# Altium PCB pcb_ROTUND_2 Layers.PcbDoc (part 1 of 2) (continued)
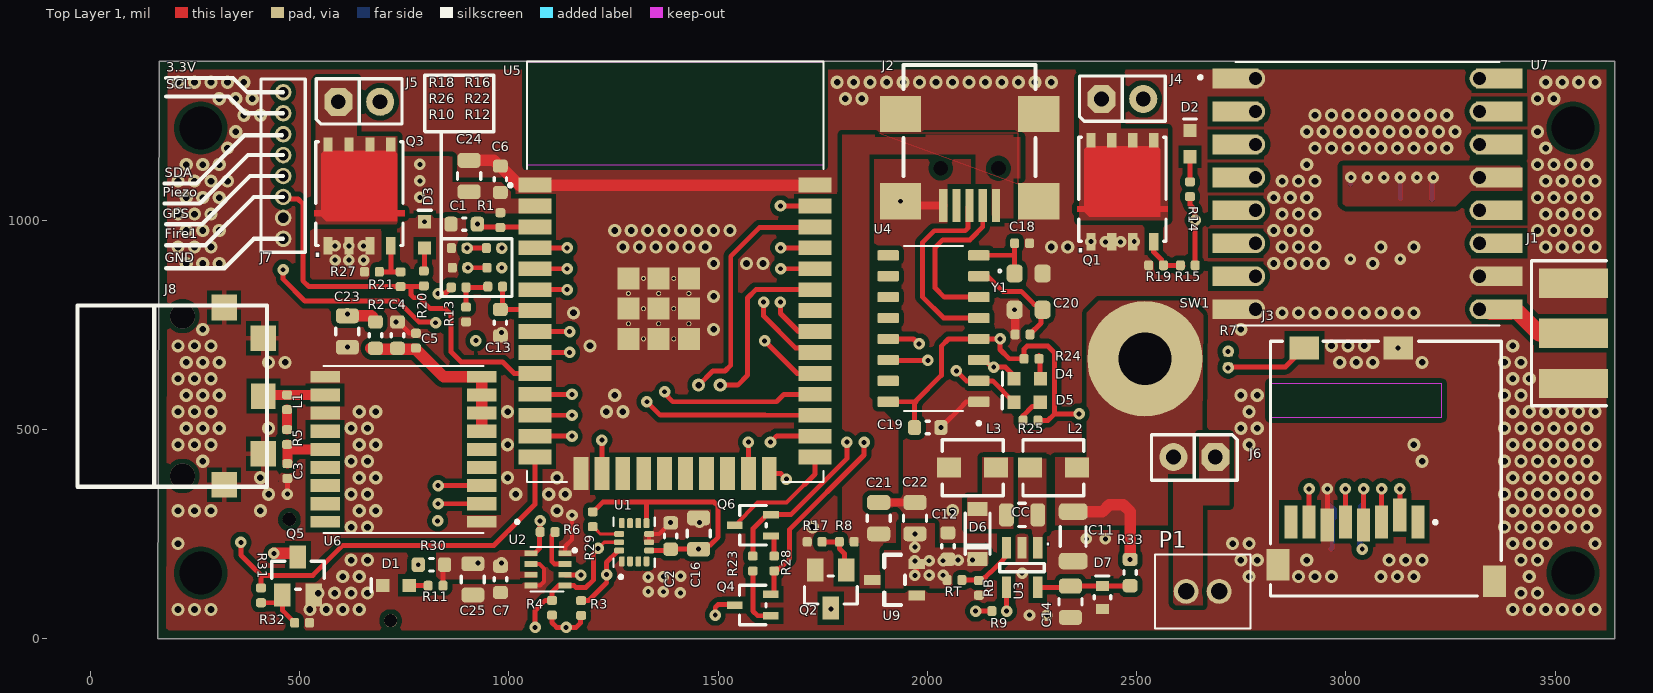
[diagram p0: Top Layer 1 view]
## Part data (continued)
R3 R4 R11 R14 R20 R24 R25: library part RES1020, Manufacturer 1="Vishay Dale", Manufacturer Part Number 1=CRCW04022K20JNED, Operating Temperature="-55C to +155C", Package=0402, Power=1/16W, Supplier Part Number 1=541-2.2KJCT-ND, Temperature Coefficient=200ppm/C, Tolerance=5%, Voltage=50V, Category=Resistor, ComponentLink1Description="SVN Datasheet", ComponentLink1URL=https://chn-vm-apps.microchip.com/mchprepo/parts/Datasheets/dcrcwe3.pdf, ComponentLink2Description="Local Datasheet", ComponentLink2URL=C:\ALTIUM_WORK\00001_MCHP-CDB\Datasheets\dcrcwe3.pdf, ComponentLink3Description="Open Symbol", ComponentLink3URL=C:\ALTIUM_WORK\00001_MCHP-CDB\Library\LibraryRefs\Resistor.SchLib, ComponentLink4Description="Open Footprint", ComponentLink4URL=C:\ALTIUM_WORK\00001_MCHP-CDB\Library\Footprints\RES_C_0402.PcbLib, ComponentLink5Description="Open Footprint 2", ComponentLink6Description="Open Footprint 3", ComponentLink7Description="Open Footprint 4", Composition=TKF, Description_="RES TKF 2.2k 5% 1/16W SMD 0402", Dev Tools Status=Production, MCHP-ID=RES1020, Owner="Tad Ahlvers", Populated=YES, Quantity Override=1, Revision=1, Status="MCL Design", Supplier 1=Digi-Key, Symbol=Resistor, Type="RES SMD"
R5: library part RES1305, Manufacturer 1=ROHM, Manufacturer Part Number 1=MCR01MRTF10R0, Operating Temperature="-55C to +155C", Package=0402, Power=1/16W, Supplier Part Number 1=RHM10.0CDTR-ND, Temperature Coefficient=100ppm/C, Tolerance=1%, Voltage=50V, Category=Resistor, ComponentLink1Description="SVN Datasheet", ComponentLink1URL=https://chn-vm-apps.microchip.com/mchprepo/parts/Datasheets/mcr_g.pdf, ComponentLink2Description="Local Datasheet", ComponentLink2URL=C:\ALTIUM_WORK\00001_MCHP-CDB\Datasheets\mcr_g.pdf, ComponentLink3Description="Open Symbol", ComponentLink3URL=C:\ALTIUM_WORK\00001_MCHP-CDB\Library\LibraryRefs\Resistor.SchLib, ComponentLink4Description="Open Footprint", ComponentLink4URL=C:\ALTIUM_WORK\00001_MCHP-CDB\Library\Footprints\RES_C_0402.PcbLib, ComponentLink5Description="Open Footprint 2", ComponentLink6Description="Open Footprint 3", ComponentLink7Description="Open Footprint 4", Composition=TKF, Description_="RES TKF 10R 1% 1/16W SMD 0402", Dev Tools Status=Production, MCHP-ID=RES1305, Owner="Tad Ahlvers", Populated=YES, Quantity Override=1, Revision=1, Status="MCL Design", Supplier 1=Digi-Key, Symbol=Resistor, Type="RES SMD"
R8 R15 R21 R31: library part RES1436, Manufacturer 1="Panasonic Electronic Components", Manufacturer Part Number 1=ERJ-2RKF1000X, Operating Temperature="-55°C ~ 155°C", Package=0402, Power=1/10W, Supplier Part Number 1=P100LCT-ND, Temperature Coefficient=±100ppm/°C, Tolerance=1%, Category=Resistor, ComponentLink1Description="SVN Datasheet", ComponentLink1URL="https://chn-vm-apps.microchip.com/mchprepo/parts/Datasheets/AOA0000CE2 (1).pdf", ComponentLink2Description="Local Datasheet", ComponentLink2URL="C:\ALTIUM_WORK\00001_MCHP-CDB\Datasheets\AOA0000CE2 (1).pdf", ComponentLink3Description="Open Symbol", ComponentLink3URL=C:\ALTIUM_WORK\00001_MCHP-CDB\Library\LibraryRefs\Resistor.SchLib, ComponentLink4Description="Open Footprint", ComponentLink4URL=C:\ALTIUM_WORK\00001_MCHP-CDB\Library\Footprints\RES_C_0402.PcbLib, ComponentLink5Description="Open Footprint 2", ComponentLink6Description="Open Footprint 3", ComponentLink7Description="Open Footprint 4", Composition=TKF, Description_="RES TKF 100R 1% 1/10W SMD 0402", Dev Tools Status=Production, MCHP-ID=RES1436, Populated=YES, Quantity Override=1, Revision=1, Status="MCL Design", Supplier 1=Digi-Key, Symbol=Resistor, Type="RES SMD"
R9 R17: library part RSMT1272, Manufacturer 1=Yageo, Manufacturer Part Number 1=RC0402JR-0733KL, Operating Temperature="-55C to +155C", Package=0402, Power=1/16W, Supplier Part Number 1=311-33KJRCT-ND, Temperature Coefficient=±100ppm/°C, Tolerance=5%, Category=Resistor, ComponentLink1Description="SVN Datasheet", ComponentLink1URL=https://chn-vm-apps.microchip.com/mchprepo/parts/Datasheets/PYu-RC_Group_51_RoHS_L_10.pdf, ComponentLink2Description="Local Datasheet", ComponentLink2URL=C:\ALTIUM_WORK\00001_MCHP-CDB\Datasheets\PYu-RC_Group_51_RoHS_L_10.pdf, ComponentLink3Description="Open Symbol", ComponentLink3URL=C:\ALTIUM_WORK\00001_MCHP-CDB\Library\LibraryRefs\Resistor.SchLib, ComponentLink4Description="Open Footprint", ComponentLink4URL=C:\ALTIUM_WORK\00001_MCHP-CDB\Library\Footprints\RES_C_0402.PcbLib, ComponentLink5Description="Open Footprint 2", ComponentLink6Description="Open Footprint 3", ComponentLink7Description="Open Footprint 4", Composition=TKF, Description_="RES TKF 33k 5% 1/16W SMD 0402", Dev Tools Status=Production, MCHP-ID=RSMT1272, Owner="Jose Luis Caceres", Populated=YES, Quantity Override=1, Revision=1, Status="MCL Design", Supplier 1=Digi-Key, Symbol=Resistor, Type="RES SMD"
R12: library part RES1022, Manufacturer 1=Panasonic, Manufacturer 2=Hottech, Manufacturer Part Number 1=ERJ-2RKF1001X, Manufacturer Part Number 2=RI0402L1001FT, Operating Temperature="-55C to +155C", Package=0402, Power=1/10W, Supplier Part Number 1=P1.00KLTR-ND, Temperature Coefficient=100ppm/C, Tolerance=1%, Voltage=50V, Category=Resistor, ComponentLink1Description="SVN Datasheet", ComponentLink1URL=https://chn-vm-apps.microchip.com/mchprepo/parts/Datasheets/AOA0000CE2.pdf, ComponentLink2Description="Local Datasheet", ComponentLink2URL=C:\ALTIUM_WORK\00001_MCHP-CDB\Datasheets\AOA0000CE2.pdf, ComponentLink3Description="Open Symbol", ComponentLink3URL=C:\ALTIUM_WORK\00001_MCHP-CDB\Library\LibraryRefs\Resistor.SchLib, ComponentLink4Description="Open Footprint", ComponentLink4URL=C:\ALTIUM_WORK\00001_MCHP-CDB\Library\Footprints\RES_C_0402.PcbLib, ComponentLink5Description="Open Footprint 2", ComponentLink6Description="Open Footprint 3", ComponentLink7Description="Open Footprint 4", Composition=TKF, Description_="RES TKF 1k 1% 1/10W SMD 0402", Dev Tools Status=Production, MCHP-ID=RES1022, Owner="Tad Ahlvers", Populated=YES, Quantity Override=1, Revision=2, Status="MCL Design", Supplier 1=Digi-Key, Supplier 2=Hottech, Supplier Part Number 2=RI0402L1001FT, Symbol=Resistor, Type="RES SMD"
R13: library part RES1007, Manufacturer 1="Panasonic - ECG", Manufacturer Part Number 1=ERJ-2GEJ332X, Operating Temperature="-55C to +155C", Package=0402, Power=1/10W, Supplier Part Number 1=P3.3KJCT-ND, Temperature Coefficient=200ppm/C, Tolerance=5%, Voltage=50V, Category=Resistor, ComponentLink1Description="SVN Datasheet", ComponentLink1URL=https://chn-vm-apps.microchip.com/mchprepo/parts/Datasheets/AOA0000CE1.pdf, ComponentLink2Description="Local Datasheet", ComponentLink2URL=C:\ALTIUM_WORK\00001_MCHP-CDB\Datasheets\AOA0000CE1.pdf, ComponentLink3Description="Open Symbol", ComponentLink3URL=C:\ALTIUM_WORK\00001_MCHP-CDB\Library\LibraryRefs\Resistor.SchLib, ComponentLink4Description="Open Footprint", ComponentLink4URL=C:\ALTIUM_WORK\00001_MCHP-CDB\Library\Footprints\RES_C_0402.PcbLib, ComponentLink5Description="Open Footprint 2", ComponentLink6Description="Open Footprint 3", ComponentLink7Description="Open Footprint 4", Composition=TKF, Description_="RES TKF 3.3k 5% 1/10W SMD 0402", Dev Tools Status=Production, MCHP-ID=RES1007, Owner="Tad Ahlvers", Populated=YES, Quantity Override=1, Revision=0, Status="MCL Design", Supplier 1=Digi-Key, Symbol=Resistor, Type="RES SMD"
R16 R22: library part RES1011, Manufacturer 1=Panasonic, Manufacturer Part Number 1=ERJ-2RKF1003X, Operating Temperature="-55C to +125C", Package=0402, Power=1/10W, Supplier Part Number 1=P100KLCT-ND, Temperature Coefficient=100ppm/C, Tolerance=1%, Voltage=50V, Category=Resistor, ComponentLink1Description="SVN Datasheet", ComponentLink1URL=https://chn-vm-apps.microchip.com/mchprepo/parts/Datasheets/AOA0000CE2.pdf, ComponentLink2Description="Local Datasheet", ComponentLink2URL=C:\ALTIUM_WORK\00001_MCHP-CDB\Datasheets\AOA0000CE2.pdf, ComponentLink3Description="Open Symbol", ComponentLink3URL=C:\ALTIUM_WORK\00001_MCHP-CDB\Library\LibraryRefs\Resistor.SchLib, ComponentLink4Description="Open Footprint", ComponentLink4URL=C:\ALTIUM_WORK\00001_MCHP-CDB\Library\Footprints\RES_C_0402.PcbLib, ComponentLink5Description="Open Footprint 2", ComponentLink6Description="Open Footprint 3", ComponentLink7Description="Open Footprint 4", Composition=TKF, Description_="RES TKF 100k 1% 1/10W SMD 0402", Dev Tools Status=Production, MCHP-ID=RES1011, Owner="Tad Ahlvers", Populated=YES, Quantity Override=1, Revision=1, Status="MCL Design", Supplier 1=Digi-Key, Symbol=Resistor, Type="RES SMD"
R18 R26: library part RES2100, Manufacturer 1=Vishay, Manufacturer 2="Stackpole Electronics Inc.", Manufacturer Part Number 1=CRCW040262K0FKED, Manufacturer Part Number 2=RMCF0402FT62K0, Operating Temperature="-55C to +155C", Package=0402, Power=1/16W, Supplier Part Number 1=2140916, Temperature Coefficient=100ppm/C, Tolerance=1%, Category=Resistor, ComponentLink1Description="SVN Datasheet", ComponentLink1URL=https://chn-vm-apps.microchip.com/mchprepo/parts/Datasheets/SEI-RMCF_RMCP.pdf, ComponentLink2Description="Local Datasheet", ComponentLink2URL=C:\ALTIUM_WORK\00001_MCHP-CDB\Datasheets\SEI-RMCF_RMCP.pdf, ComponentLink3Description="Open Symbol", ComponentLink3URL=C:\ALTIUM_WORK\00001_MCHP-CDB\Library\LibraryRefs\Resistor.SchLib, ComponentLink4Description="Open Footprint", ComponentLink4URL=C:\ALTIUM_WORK\00001_MCHP-CDB\Library\Footprints\RES_C_0402.PcbLib, ComponentLink5Description="Open Footprint 2", ComponentLink6Description="Open Footprint 3", ComponentLink7Description="Open Footprint 4", Composition=TKF, Description_="RES TF 62k 1% 1/16W SMD 0402 AEC-Q200", Dev Tools Status=Production, MCHP-ID=RES2100, Owner="Cristian Papuc", Populated=YES, Quantity Override=1, Revision=1, Status="MCL Design", Supplier 1=Farnell, Supplier 2=Digi-Key, Supplier Part Number 2=RMCF0402FT62K0CT-ND, Symbol=Resistor, Type="RES SMD"
R19 R27: library part RES2130, Manufacturer 1="Panasonic - ECG", Manufacturer Part Number 1=ERJ-2RKF3301X, Operating Temperature="-55C to +155C", Package=0402, Power=1/10W, Supplier Part Number 1=P3.30KLTR-ND, Temperature Coefficient=100ppm/C, Tolerance=1%, Voltage=50V, Category=Resistor, ComponentLink1Description="SVN Datasheet", ComponentLink1URL=https://chn-vm-apps.microchip.com/mchprepo/parts/Datasheets/AOA0000C304.pdf, ComponentLink2Description="Local Datasheet", ComponentLink2URL=C:\ALTIUM_WORK\00001_MCHP-CDB\Datasheets\AOA0000C304.pdf, ComponentLink3Description="Open Symbol", ComponentLink3URL=C:\ALTIUM_WORK\00001_MCHP-CDB\Library\LibraryRefs\Resistor.SchLib, ComponentLink4Description="Open Footprint", ComponentLink4URL=C:\ALTIUM_WORK\00001_MCHP-CDB\Library\Footprints\RES_C_0402.PcbLib, ComponentLink5Description="Open Footprint 2", ComponentLink6Description="Open Footprint 3", ComponentLink7Description="Open Footprint 4", Composition=TKF, Description_="RES TKF 3.3k 1% 1/10W SMD 0402", Dev Tools Status=Production, MCHP-ID=RES2130, Owner="Mike Ragsdale", Populated=YES, Quantity Override=1, Revision=1, Status="MCL Design", Supplier 1=Digi-Key, Symbol=Resistor, Type="RES SMD"
R30: library part RSMT1021, Current=1A, Manufacturer 1="Stackpole Electronics Inc", Manufacturer Part Number 1=RMCF0603FT10R0, Operating Temperature="-55C to +155C", Package=0603, Power=1/10W, Supplier Part Number 1=RMCF0603FT10R0CT-ND, Temperature Coefficient=100ppm/C, Tolerance=1%, Voltage=50V, Category=Resistor, ComponentLink1Description="SVN Datasheet", ComponentLink1URL=https://chn-vm-apps.microchip.com/mchprepo/parts/Datasheets/SEI-RMCF_RMCP.pdf, ComponentLink2Description="Local Datasheet", ComponentLink2URL=C:\ALTIUM_WORK\00001_MCHP-CDB\Datasheets\SEI-RMCF_RMCP.pdf, ComponentLink3Description="Open Symbol", ComponentLink3URL=C:\ALTIUM_WORK\00001_MCHP-CDB\Library\LibraryRefs\Resistor.SchLib, ComponentLink4Description="Open Footprint", ComponentLink4URL=C:\ALTIUM_WORK\00001_MCHP-CDB\Library\Footprints\RES_C_0603.PcbLib, ComponentLink5Description="Open Footprint 2", ComponentLink6Description="Open Footprint 3", ComponentLink7Description="Open Footprint 4", Composition=TKF, Description_="RES TKF 10R 1% 1/10W SMD 0603", Dev Tools Status=Production, MCHP-ID=RSMT1021, Owner="Aaron VanDuerm", Populated=Yes, Quantity Override=1, Revision=1, Status="MCL Design", Supplier 1=Digi-Key, Symbol=Resistor, Type="RES SMD"
R33: library part RES1268, Manufacturer 1=Panasonic, Manufacturer Part Number 1=ERJ-3EKF2210V, Operating Temperature="-55C to +155C", Package=0603, Power=1/10W, Supplier Part Number 1=P221HCT-ND, Temperature Coefficient=100ppm/C, Tolerance=1%, Voltage=75V, Category=Resistor, ComponentLink1Description="SVN Datasheet", ComponentLink1URL=https://chn-vm-apps.microchip.com/mchprepo/parts/Datasheets/AOA0000CE2.pdf, ComponentLink2Description="Local Datasheet", ComponentLink2URL=C:\ALTIUM_WORK\00001_MCHP-CDB\Datasheets\AOA0000CE2.pdf, ComponentLink3Description="Open Symbol", ComponentLink3URL=C:\ALTIUM_WORK\00001_MCHP-CDB\Library\LibraryRefs\Resistor.SchLib, ComponentLink4Description="Open Footprint", ComponentLink4URL=C:\ALTIUM_WORK\00001_MCHP-CDB\Library\Footprints\RES_C_0603.PcbLib, ComponentLink5Description="Open Footprint 2", ComponentLink6Description="Open Footprint 3", ComponentLink7Description="Open Footprint 4", Composition=TKF, Description_="RES TKF 221R 1% 1/10W SMD 0603", Dev Tools Status=Production, MCHP-ID=RES1268, Owner="Tad Ahlvers", Populated=YES, Quantity Override=1, Revision=0, Status="MCL Design", Supplier 1=Digi-Key, Symbol=Resistor, Type="RES SMD"
RB: library part RES2206, Manufacturer 1="Panasonic Electronic Components", Manufacturer Part Number 1=ERJ-2RKF1301X, Operating Temperature="-55C to +155C", Package=0402, Power=1/10W, Supplier Part Number 1=P1.30KLCT-ND, Tolerance=1%, Voltage=50V, Category=Resistor, ComponentLink1Description="SVN Datasheet", ComponentLink1URL=https://chn-vm-apps.microchip.com/mchprepo/parts/Datasheets/AOA0000C304.pdf, ComponentLink2Description="Local Datasheet", ComponentLink2URL=C:\ALTIUM_WORK\00001_MCHP-CDB\Datasheets\AOA0000C304.pdf, ComponentLink3Description="Open Symbol", ComponentLink3URL=C:\ALTIUM_WORK\00001_MCHP-CDB\Library\LibraryRefs\Resistor.SchLib, ComponentLink4Description="Open Footprint", ComponentLink4URL=C:\ALTIUM_WORK\00001_MCHP-CDB\Library\Footprints\RES_C_0402.PcbLib, ComponentLink5Description="Open Footprint 2", ComponentLink6Description="Open Footprint 3", ComponentLink7Description="Open Footprint 4", Composition=TKF, Description_="RES TKF 1.3k 1% 1/10W SMD 0402", Dev Tools Status=Design, MCHP-ID=RES2206, Owner="Iulian Margarit", Populated=YES, Quantity Override=1, Revision=1, Status="MCL Design", Supplier 1=Digi-Key, Symbol=Resistor, Type="RES SMD"
RT: library part RES1023, Manufacturer 1=Panasonic, Manufacturer Part Number 1=ERJ-2RKF2201X, Operating Temperature="-55C to +155C", Package=0402, Power=1/10W, Supplier Part Number 1=P2.20KLTR-ND, Temperature Coeffcient=100ppm/C, Tolerance=1%, Voltage=50V, Category=Resistor, ComponentLink1Description="SVN Datasheet", ComponentLink1URL=https://chn-vm-apps.microchip.com/mchprepo/parts/Datasheets/AOA0000CE2.pdf, ComponentLink2Description="Local Datasheet", ComponentLink2URL=C:\ALTIUM_WORK\00001_MCHP-CDB\Datasheets\AOA0000CE2.pdf, ComponentLink3Description="Open Symbol", ComponentLink3URL=C:\ALTIUM_WORK\00001_MCHP-CDB\Library\LibraryRefs\Resistor.SchLib, ComponentLink4Description="Open Footprint", ComponentLink4URL=C:\ALTIUM_WORK\00001_MCHP-CDB\Library\Footprints\RES_C_0402.PcbLib, ComponentLink5Description="Open Footprint 2", ComponentLink6Description="Open Footprint 3", ComponentLink7Description="Open Footprint 4", Composition=TKF, Description_="RES TKF 2.2k 1% 1/10W SMD 0402", Dev Tools Status=Production, MCHP-ID=RES1023, Owner="Tad Ahlvers", Populated=YES, Quantity Override=1, Revision=1, Status="MCL Design", Supplier 1=Digi-Key, Symbol=Resistor, Type="RES SMD"
U2: "Pressure Sensor 4.35PSI ~ 15.95PSI _30kPa ~ 110kPa_ Absolute 16b 8-SMD", Package="SMD-8 Bosch Sensortec", Digi-Key_Part_Number=828-1064-1-ND, Digi-Key_Purchase_URL=https://www.digikey.com/product-detail/en/bosch-sensortec/BMP280/828-1064-1-ND/6136315?utm_source=snapeda&utm_medium=aggregator&utm_campaign=symbol, MF=Bosch, MP=BMP280, SnapEDA_Link=https://www.snapeda.com/parts/BMP280/Bosch%20Sensortec/view-part/1186631/?ref=snap
U3: library part MIC6247, Manufacturer 1="Microchip Technology Inc", Manufacturer Part Number 1=MCP1663T-E/OT, Operating Temperature="-40C to +125C", Category=MCHP-Analog, ComponentLink1Description="SVN Datasheet", ComponentLink1URL=https://www.microchip.com/sitesearch/search/Product%20and%20Development%20Tools/MCP1663T-E/OT, ComponentLink2Description="Local Datasheet", ComponentLink3Description="Open Symbol", ComponentLink3URL="C:\ALTIUM_WORK\00001_MCHP-CDB\Library\LibraryRefs\MCP1663 SOT-23-5.SchLib", ComponentLink4Description="Open Footprint", ComponentLink4URL=C:\ALTIUM_WORK\00001_MCHP-CDB\Library\Footprints\SOT-23-5.PcbLib, ComponentLink5Description="Open Footprint 2", ComponentLink6Description="Open Footprint 3", ComponentLink7Description="Open Footprint 4", Description_="MCHP ANALOG SWITCHER Boost 32V MCP1663T-E/OT SOT-23-5", Dev Tools Status=Production, MCHP-ID=MIC6247, Owner="Bogdan Popescu", Populated=YES, Quantity Override=1, Revision=1, Status="MCL Design", Supplier 1="Microchip Technology Inc", Supplier Part Number 1=MCP1663T-E/OT, Symbol="MCP1663 SOT-23-5", Type=Switcher
U4: "USB Interface Integrated Circuit", Package=None, Availability="Not in stock", Check_prices=https://www.snapeda.com/parts/Ch340G/WCH/view-part/?ref=eda, MF=WCH, MP=Ch340G, Price=None, SnapEDA_Link=https://www.snapeda.com/parts/Ch340G/WCH/view-part/?ref=snap
U5: "Bluetooth, WiFi Transceiver Module 2.4GHz ~ 2.5GHz Surface Mount", Package="Module Espressif Systems", Digi-Key_Part_Number=1904-1010-1-ND, Digi-Key_Purchase_URL=https://www.digikey.com/product-detail/en/espressif-systems/ESP32-WROOM-32/1904-1010-1-ND/8544305?utm_source=snapeda&utm_medium=aggregator&utm_campaign=symbol, MF="Espressif Systems", MP=ESP32-WROOM-32, SnapEDA_Link=https://www.snapeda.com/parts/ESP32-WROOM-32/Espressif%20Systems/view-part/2753322/?ref=snap
U6: "u-blox M8 GNSS module, ROM, crystal", Package="SMD-18 u-blox", Availability=Unavailable, MF="U-Blox America", MP=MAX-M8C-0-10, Price=None, SnapEDA_Link=https://www.snapeda.com/parts/MAX-M8C-0-10/U-Blox%20America%20Inc./view-part/4176794/?ref=snap
U7: "802.15.4, General ISM < 1GHz LoRaâ„¢ Transceiver Module 433MHz Surface Mount", Package="SMD-16 RF Solutions", Availability=Unavailable, MF="RF Solutions", MP=RFM98W-433S2, Price=None, SnapEDA_Link=https://www.snapeda.com/parts/RFM98W-433S2/RF%20Solutions/view-part/583263/?ref=snap
U9: library part MIC6213, "LDO", Manufacturer 1=Microchip, Manufacturer Part Number 1=MCP1703AT-3302E/CB, PackageType=SOT-23A, Supplier Part Number 1=MCP1703AT-3302E/CBCT-ND, TempRange="-40C to +125C", Category=MCHP-Analog, ComponentLink1Description="SVN Datasheet", ComponentLink1URL=http://www.microchip.com/wwwproducts/MCP1703A, ComponentLink2Description="Local Datasheet", ComponentLink3Description="Open Symbol", ComponentLink3URL="C:\ALTIUM_WORK\00001_MCHP-CDB\Library\LibraryRefs\MCP170X SOT-23-3_SOT-23A-3.SchLib", ComponentLink4Description="Open Footprint", ComponentLink4URL=C:\ALTIUM_WORK\00001_MCHP-CDB\Library\Footprints\SOT-23A-3.PcbLib, ComponentLink5Description="Open Footprint 2", ComponentLink6Description="Open Footprint 3", ComponentLink7Description="Open Footprint 4", Description_="MCHP ANALOG LDO 3.3V MCP1703AT-5002E/CB SOT-23A-3", Dev Tools Status=Production, ForceMinOrderQtyMult=True, IntroductionDate=2012-03-15, LeadContent=Pb-FREE, LeadCount=3, MAPS Description="LOWIQ 250MA LDO, VIN 16V MAX, VOUT=3.3V", MCHP-ID=MIC6213, MinOrderQty=1, MPC=HBAF1YM7XA33, Owner="Tad Ahlvers", PackingMedia=T/R, Populated=YES, Quantity Override=1, Revision=1, Stage=REL, Status="MCL Design", Supplier 1=Digi-Key, Symbol="MCP170X SOT-23-3_SOT-23A-3", tblDeviceFamilyID=3495, Type=LDO
Y1: "12MHz Â±20ppm Crystal 18pF 120 Ohms 4-SMD, No Lead", Package="SMD-4 Abracon", Availability=Bad, Check_prices=https://www.snapeda.com/parts/ABM8-12.000MHZ-B2-T3/Abracon%20LLC/view-part/1219277/?ref=eda, MF=Abracon, MP=ABM8-12.000MHZ-B2-T3, Price=None, SnapEDA_Link=https://www.snapeda.com/parts/ABM8-12.000MHZ-B2-T3/Abracon%20LLC/view-part/1219277/?ref=snap

## Free pads (board coordinates)
  round 0 hole 102.36 unplated mask+7.87: 0(263.74,157.48) 0(263.74,1220.47) 0(3542.32,157.48) 0(3542.32,1220.47)
  round 0 hole 125.98 unplated: 8(2519.69,669.29)

## Via types
v1: diameter 31.5, hole 15.75, Top Layer 1 to Bottom Layer 1, tented both sides, 345 vias
v2: diameter 27.56, hole 11.81, Top Layer 1 to Bottom Layer 1, tented both sides, 112 vias
v3: diameter 27.56, hole 11.81, Top Layer 1 to Bottom Layer 1, 10 vias
v4: diameter 59.06, hole 59.06, Top Layer 1 to Bottom Layer 1, tented both sides, 2 vias

## Nets (pads, with @x,y where several pads share a name; then routed paths per layer and width w, separated by ;. In a path a pad name is that pad's centre, name@x,y a point inside that pad or via, vN(x,y) a via of type N, cw(c..) or ccw(c..) an arc to the next point about the centre after c; other vN are vias at no path point)
3.3V: C2.2 C6.2 C7.2 C8.2 C9.1 C10.2 C12.2 C16.2 C19.2 C22.2 C23.2 C24.2 C25.2 C26.2 C27.2 D6.2 J3.4 J7.1 R1.1 R2.1 R3.2 R4.2 R6.2 R7.1 R11.2 R24.2 R25.2 R29.1 R30.2 RT.2 U1.5 U1.8 U2.6 U2.8 U4.4 U4.16 U5.2 U7.13 U7.13_1 U9.2 | length 3458.4
  Top Layer 1 w11.81: R11.2@842.52,127.14 842.52,173.25 R30.2@846.46,177.19 ; U2.8@1053.15,204.52 1054.13,205.5 1063,205.5 1072.84,215.34 R6.2@1072.84,255.48 ; R6.2@1074.8,255.48 v2(1074.8,281.88) ; R4.2@1103.07,56.66 1103.07,38.51 1114.02,27.56 v2(1136.88,27.56) 1160.86,27.56 1171.54,38.24 1171.54,54.97 R3.2@1172.52,55.95 ; R29.1@1200.28,303.53 1201.26,303.53 1206.18,308.45 1206.18,308.67 1224.3,326.8 1328.74,326.8 ; U1.8@1328.74,276.59 1328.74,326.8 ; U1.5@1335.04,211.23 1383.49,211.23 C2.2@1386.59,214.34 v2(1453.36,214.34) 1463.35,224.32 1481.35,224.32 1500,242.97 1500,316.85 1490.05,326.8 1328.74,326.8 ; U4.16@1906.26,566.57 1970.18,566.57 ; C19.2@1969.13,505 1969.13,562.56 1973.15,566.57 1970.18,566.57 ; v2@1974.29,146.23 U9.2@1974.29,178.49 ; R24.2@2230.87,669.29 2195.52,669.29 2173.41,691.4 v2(2173.41,716.83) 2173.16,716.57 U4.4@2122.8,716.57 2050.41,716.57 2033.14,699.31 2033.14,629.54 1970.18,566.57 ; R24.2@2230.87,676.66 2230.87,692.41 2238.3,699.84 2287.62,699.84 2303.1,684.35 2303.1,537.71 ; R25.2@2264.01,522 2288.03,522 2303.1,537.08 2303.1,537.71 ; v2(2362.2,537.71) 2303.1,537.71 ; J3.4@3041.93,271.9 v2(3041.93,358.35)
  Top Layer 1 w27.56: C23.2@613.96,771.75 671.16,771.75 R2.1@681.1,761.81
  Signal 1 w11.81: v2(2107.99,188.3) 2107.99,347.91 2297.79,537.71 v2(2362.2,537.71)
  Signal 2 w11.81: 2162.17,210.01 2344.92,210.01 ; v2(2718.64,687.03) 2718.71,687.11 2776.31,687.11 2833.38,744.17 ; 2833.38,744.09 3286.48,744.09
  Bottom Layer 1 w11.81: C9.1@3010.43,1086.3 3010.43,1101.34 v2(3011.81,1102.72) ; v2(3038.9,214.67) 3032.99,220.57 3032.99,284.55 3034.06,285.61 C8.2@3034.06,287.48 3034.06,315.04 3041.93,322.91 v2(3041.93,358.35) ; v3@3129.7,1093.19 3129.7,1052.42 C27.2@3130.43,1051.69 ; C10.2@3205.43,1049.72 v3@3205.43,1093.19
  other v2: 1970.14,151.72 2003.82,152.11 2037.64,152.11 926.56,181.62 982.28,181.62 1970.2,186.31 2003.88,186.7 2037.69,186.7 2073.4,188.35 1970.2,219.48 1970.2,250.98 613.96,776.6 787.4,1054.83 787.4,1094.49 787.4,1133.86
  other v3: 3051.18,1102.36 3090.55,1102.36 3129.7,1102.36 3169.29,1102.36 3208.66,1102.36
ADC_VBAT: C13.2 R12.2 U5.7 | length 141
  Top Layer 1 w11.81: R12.2@984.96,841.67 984.96,792.33 C13.2@979.54,786.91 1059.93,786.91 U5.7@1062.48,784.35
BZ: J7.4 R31.2 U5.14 | length 1941.8
  Top Layer 1 w11.81: v2(359.78,230.46) 359.78,200.03 387.95,171.86 388.35,171.86 408.28,151.93 ; R31.2@407.63,121.84 407.63,151.29 408.28,151.93 ; U5.14@1062.48,434.35 1062.48,321.61 964.35,223.48 603.29,223.48 531.74,151.93 408.28,151.93
  Signal 2 w11.81: v2(359.78,230.46) 359.78,1068.97 441.44,1150.63 455.36,1150.63 J7.4@460.63,1155.91
D+: J2.3 U4.5 | length 464.5
  Top Layer 1 w11.81: J2.3@2100.63,1035.75 2097.31,1032.43 2097.31,982.08 2090.39,975.16 2016.38,975.16 1987.87,946.65 1987.87,817.26 2038.56,766.57 U4.5@2122.8,766.57
D-: J2.2 U4.6 | length 395.6
  Top Layer 1 w11.81: U4.6@2122.8,816.57 2040.35,816.57 2018.23,838.7 2018.23,934.76 2036.97,953.5 2101.25,953.5 2106.69,958.95 2132.13,984.38 J2.2@2132.13,1035.75
DIO0: U5.24 U7.14 U7.14_1 | length 2297.3
  Top Layer 1 w11.81: U5.24@1622.13,394.98 1649.69,394.98 v2(1662.78,381.89)
  Signal 1 w11.81: v2(1662.78,381.89) 1664.65,381.89 1696.85,414.09 2080.47,414.09 2288.35,621.97 2288.35,820.21 2295.26,827.13 3216.93,827.13 3273.62,883.82 3273.62,1133.66 3318.9,1178.93 U7.14_1@3318.9,1181.46
DIO1: U5.8 U7.15 U7.15_1 | length 2651.7
  Top Layer 1 w11.81: U5.8@1062.48,734.35 v2(1145,734.35)
  Signal 1 w11.81: v2(1145,734.35) 1183.17,734.35 1200.79,751.97 1200.79,994.46 1273.26,1066.93 1845.47,1066.93 1991.14,1212.6 2641.73,1212.6 2728.7,1299.57 3282.69,1299.57 3318.9,1263.36 U7.15_1@3318.9,1260.2 ; U7.15_1@3323.76,1272.34 U7.15_1@3324.72,1272.34
DIO5: U5.23 U7.7 U7.7_1 | length 1599
  Top Layer 1 w11.81: U5.23@1572.13,394.98 v2(1572.13,470)
  Signal 1 w11.81: v2(1572.13,470) 1604.53,437.6 2060.04,437.6 2266.69,644.25 2266.69,851.69 2281.5,866.5 U7.7_1@2783.46,866.5
DTR: Q6.2 R23.1 U4.13 | length 783.2
  Top Layer 1 w11.81: R23.1@1583.07,197.83 1583.07,263.55 1616.54,297.01 Q6.2@1626.38,297.01 1673.79,297.01 1807.28,430.5 v2(1807.28,470) ; U4.13@1906.26,716.57 1966.82,716.57 1978.67,704.72 v2(1980.02,704.72)
  Signal 1 w11.81: v2(1807.28,470) 1810.3,473.01 1810.3,535.68 v2@1979.34,704.72
EN: C1.2 Q4.3 R1.2 U5.3 | length 1777.9
  Top Layer 1 w11.81: v2(924.58,990.91) 931.14,984.35 U5.3@1062.48,984.35 ; v2(1493.05,56.93) 1493.05,75.18 1500,82.14 1538.08,82.14 Q4.3@1539.37,80.85 Q4.3@1547.29,80.85
  Signal 1 w11.81: v2(924.58,990.91) 892.49,990.91 862.2,960.63 862.2,137.8 941.26,58.74 v2@1493.05,58.74
FIRE1: J7.6 R20.2 R21.2 U5.10 | length 972.9
  Top Layer 1 w11.81: J7.6@460.63,1055.91 465.35,1051.18 496.06,1051.18 507.87,1039.37 507.87,856.07 522.28,841.67 R21.2@741.24,841.67 766.03,841.67 ; R20.2@790.83,841.67 766.03,841.67 ; U5.10@1062.48,634.35 1012.03,634.35 984.96,661.42 885.83,661.42 861.59,685.65 861.59,775.59 848.11,789.07 812.48,789.07 786.54,815.02 772.95,815.02 766.03,821.94 766.03,841.67
FIRE2: R14.2 R15.2 U5.26 | length 1516.9
  Top Layer 1 w11.81: v2(1625,470) 1640.18,485.18 1730.94,485.18 U5.26@1731.77,484.35 ; R14.2@2627.32,1056.65 2627.31,1036.97 2639.76,1024.52 v2(2639.76,1000) R15.2@2639.76,892.59
  Signal 1 w11.81: v2(1625,470) 2155,1000 v2(2639.76,1000)
GND: C1.1 C2.1 C3.1 C4.1 C5.1 C6.1 C7.1 C8.1 C9.2 C10.1 C11.1 C12.1 C13.1 C14.1 C16.1 C18.1 C19.1 C20.1 C21.1 C22.1 C23.1 C24.1 C25.1 C26.1 C27.1 D1.2 D2.2 D3.2 D7.1 J1.2 J2.0 J2.5 J3.6 J3.10 J3.11 J3.12 J7.7 J7.8 J8.1 J8.2 J8.4 J8.5 L3.1 P1.2 Q1.1 Q1.2 Q1.3 Q2.2 Q3.1 Q3.2 Q3.3 Q5.2 R13.1 R17.1 R18.1 R19.1 R26.1 R27.1 R32.1 RB.1 U1.1 U1.6 U1.7 U2.1 U2.5 U2.7 U3.2 U4.1 U5.1 U5.15 U5.38 U5.39_1 U5.39_2 U5.39_3 U5.39_4 U5.39_5 U5.39_6 U5.39_7 U5.39_8 U5.39_9 U5.39_10 U5.39_11 U5.39_12 U5.39_13 U5.39_14 U5.39_15 U5.39_16 U5.39_17 U5.39_18 U5.39_19 U5.39_20 U5.39_21 U6.1 U6.10 U6.12 U7.1 U7.1_1 U7.8 U7.8_1 U7.10 U7.10_1 U9.1 Y1.2 Y1.4 | length 1848.3
  Top Layer 1 w9.84: U2.5@1053.15,127.74 1074.8,127.74 1083.66,136.6 1083.66,168.1 1072.83,178.92 U2.7@1053.15,178.92 ; U2.1@1134.57,207.34 1134.57,221.4 1150.93,237.76 1150.93,295.35 v2(1150.79,295.49) ; U1.6@1335.04,230.92 U1.7@1335.04,250.6 1359.25,250.6 v2(1386.59,277.94)
  Top Layer 1 w11.81: v2(470.63,345.7) C3.1@470.63,383.17 ; v2(730.26,757.38) C4.1@733.8,757.38 735.77,757.38 761.6,731.54 761.6,730.31 C5.1@777.8,730.31 ; v2(2032.13,505) 2085.63,558.5 2085.63,559.66 2092.55,566.57 U4.1@2122.8,566.57 ; J3.6@2955.32,271.9 v2(2955.32,358.35) ; v2(3124.47,694.59) J3.10@3125,695.12 ; J1.2@3542.32,832.62 J1.2@3550.2,824.74
  Top Layer 1 w19.68: C21.1@1883.58,325.79 C22.1@1970.2,325.79 ; J2.0@1945.12,1035.75 J2.5@2037.64,1035.75 ; v2(2208.32,786.4) 2209.61,785.11 C20.1@2209.61,727.39
  Top Layer 1 w27.56: C24.1@904.9,1143.3 963.79,1143.3 977.57,1129.52 C6.1@979.54,1129.52 1024.7,1084.35 U5.1@1062.48,1084.35 U5.38@1731.77,1084.35 ; v2(1935.28,1045.59) J2.0@1945.12,1035.75
  Bottom Layer 1 w11.81: v2(2955.32,358.35) 2955.32,325.71 2971.06,309.96 C8.1@2971.06,287.48 ; C26.1@2964.09,214.67 2967.13,217.7 2967.13,284.55 C8.1@2971.06,288.48
  other v1: 209.46,70.17 248.83,70.17 288.2,70.17 524.42,70.17 563.79,70.17 603.16,70.17 642.53,70.17 3398.43,70.17 3437.8,70.17 3477.17,70.17 3516.54,70.17 3555.91,70.17 3595.28,70.17 544.1,109.54 583.47,109.54 622.84,109.54 662.21,109.54 3418.12,109.54 3457.49,109.54 603.16,148.91 642.53,148.91 2768.51,148.91 2886.62,148.91 2925.99,148.91 2965.36,148.91 3083.47,148.91 3122.84,148.91 3162.21,148.91 3437.8,148.91 622.84,188.28 662.21,188.28 2748.83,188.28 2788.2,188.28 2906.31,188.28 3103.16,188.28 3142.53,188.28 3181.9,188.28 3418.12,188.28 3457.49,188.28 209.46,227.65 2729.14,227.65 2768.51,227.65 3398.43,227.65 3437.8,227.65 3477.17,227.65 3595.28,227.65 622.84,267.02 662.21,267.02 1725.21,267.02 3378.75,267.02 3418.12,267.02 3457.49,267.02 3496.86,267.02 3536.23,267.02 3575.6,267.02 209.46,306.39 248.83,306.39 288.2,306.39 406.31,306.39 642.53,306.39 681.9,306.39 1114.97,306.39 2059.85,306.39 3398.43,306.39 3437.8,306.39 3477.17,306.39 3516.54,306.39 3555.91,306.39 3595.28,306.39 425.99,345.76 622.84,345.76 662.21,345.76 1016.54,345.76 1095.28,345.76 1134.65,345.76 3378.75,345.76 3418.12,345.76 3457.49,345.76 3496.86,345.76 3536.23,345.76 3575.6,345.76 406.31,385.13 642.53,385.13 681.9,385.13 996.86,385.13 1114.97,385.13 3398.43,385.13 3437.8,385.13 3477.17,385.13 3516.54,385.13 3555.91,385.13 3595.28,385.13 268.51,424.5 622.84,424.5 662.21,424.5 3181.9,424.5 3378.75,424.5 3418.12,424.5 3457.49,424.5 3496.86,424.5 3536.23,424.5 3575.6,424.5 209.46,463.87 248.83,463.87 288.2,463.87 642.53,463.87 681.9,463.87 996.86,463.87 2768.51,463.87 3162.21,463.87 3398.43,463.87 3437.8,463.87 3477.17,463.87 3516.54,463.87 3555.91,463.87 3595.28,463.87 229.14,503.24 268.51,503.24 307.88,503.24 425.99,503.24 622.84,503.24 662.21,503.24 2748.83,503.24 2788.2,503.24 3378.75,503.24 3418.12,503.24 3457.49,503.24 3496.86,503.24 3536.23,503.24 3575.6,503.24 209.46,542.61 248.83,542.61 288.2,542.61 642.53,542.61 681.9,542.61 996.86,542.61 1233.08,542.61 1272.45,542.61 2768.51,542.61 3398.43,542.61 3437.8,542.61 3477.17,542.61 3516.54,542.61 3555.91,542.61 3595.28,542.61 229.14,581.98 268.51,581.98 307.88,581.98 1252.76,581.98 2748.83,581.98 2788.2,581.98 3378.75,581.98 3418.12,581.98 209.46,621.35 248.83,621.35 288.2,621.35 3398.43,621.35 3437.8,621.35 229.14,660.72 268.51,660.72 307.88,660.72 425.99,660.72 465.36,660.72 2985.05,660.72 3024.42,660.72 3063.79,660.72 3181.9,660.72 3378.75,660.72 3418.12,660.72 209.46,700.09 248.83,700.09 288.2,700.09 1193.71,700.09 2965.36,700.09 3004.73,700.09 3044.1,700.09 3398.43,700.09 268.51,739.46 1488.98,739.46 2748.83,739.46 1154.34,778.83 2847.25,778.83 2886.62,778.83 2925.99,778.83 2965.36,778.83 3004.73,778.83 3044.1,778.83 3083.47,778.83 3122.84,778.83 3162.21,778.83 1488.98,818.2 229.14,896.94 268.51,896.94 307.88,896.94 1488.98,896.94 1567.72,896.94 1607.09,896.94 2827.57,896.94 2866.94,896.94 2906.31,896.94 2945.68,896.94 3063.79,896.94 209.46,936.31 248.83,936.31 288.2,936.31 1272.45,936.31 1311.82,936.31 1351.19,936.31 1390.56,936.31 1429.93,936.31 1469.3,936.31 2296.07,936.31 2335.44,936.31 2847.25,936.31 2886.62,936.31 2925.99,936.31 3083.47,936.31 3162.21,936.31 3477.17,936.31 3516.54,936.31 3555.91,936.31 3595.28,936.31 229.14,975.68 268.51,975.68 307.88,975.68 1252.76,975.68 1292.13,975.68 1331.5,975.68 1370.87,975.68 1410.24,975.68 1449.61,975.68 1488.98,975.68 1528.35,975.68 2827.57,975.68 2866.94,975.68 2906.31,975.68 3457.49,975.68 3496.86,975.68 3536.23,975.68 3575.6,975.68 209.46,1015.05 248.83,1015.05 288.2,1015.05 2847.25,1015.05 2886.62,1015.05 2925.99,1015.05 3477.17,1015.05 3516.54,1015.05 3555.91,1015.05 3595.28,1015.05 229.14,1054.42 268.51,1054.42 307.88,1054.42 2827.57,1054.42 2866.94,1054.42 2906.31,1054.42 3457.49,1054.42 3496.86,1054.42 3536.23,1054.42 3575.6,1054.42 209.46,1093.79 248.83,1093.79 288.2,1093.79 327.57,1093.79 2847.25,1093.79 2886.62,1093.79 2925.99,1093.79 3477.17,1093.79 3516.54,1093.79 3555.91,1093.79 3595.28,1093.79 229.14,1133.16 268.51,1133.16 307.88,1133.16 2906.31,1133.16 3457.49,1133.16 3496.86,1133.16 3536.23,1133.16 3575.6,1133.16 327.57,1172.53 2925.99,1172.53 2965.36,1172.53 3004.73,1172.53 3044.1,1172.53 3083.47,1172.53 3122.84,1172.53 3162.21,1172.53 3201.58,1172.53 3240.95,1172.53 3477.17,1172.53 347.25,1211.9 2906.31,1211.9 2945.68,1211.9 2985.05,1211.9 3024.42,1211.9 3063.79,1211.9 3103.16,1211.9 3142.53,1211.9 3181.9,1211.9 3221.27,1211.9 3260.64,1211.9 3457.49,1211.9 366.94,1251.27 406.31,1251.27 2925.99,1251.27 2965.36,1251.27 3004.73,1251.27 3044.1,1251.27 3083.47,1251.27 3122.84,1251.27 3162.21,1251.27 3201.58,1251.27 3240.95,1251.27 307.88,1290.64 347.25,1290.64 386.62,1290.64 1803.95,1290.64 1843.32,1290.64 3457.49,1290.64 3496.86,1290.64 209.46,1330.01 248.83,1330.01 288.2,1330.01 327.57,1330.01 366.94,1330.01 1784.26,1330.01 1823.63,1330.01 1863,1330.01 1902.37,1330.01 1941.74,1330.01 1981.11,1330.01 2020.48,1330.01 2059.85,1330.01 2099.22,1330.01 2138.59,1330.01 2177.96,1330.01 2217.33,1330.01 2256.7,1330.01 2296.07,1330.01 3477.17,1330.01 3516.54,1330.01 3555.91,1330.01 3595.28,1330.01
  other v2: 1409.71,109.92 1332.88,112.79 1369.07,112.68 1332.88,147.56 1369.07,148.91 1410.24,149.97 1455.37,278.51 613.96,696.95 982.28,731.54 584.83,904.83 617.85,904.83 652.72,904.83 3010.43,907.16 3129.7,907.16 584.83,938.8 617.85,938.8 652.16,938.8 2425.2,948.76 2461.58,948.76 2390.63,949.25 2494.09,949.25 798.71,996.69
  other v3: 2243.82,56.93 2285.16,56.93 2226.1,156.99 2379.65,239.14 2425.2,239.14
GPS_RX: U5.28 U6.3 | length 1281.3
  Top Layer 1 w11.81: v2(830.71,366.14) U6.3@935.04,366.14 ; v2(1372.13,590.55) 1372.13,586.29 1391.84,566.57 1639.35,566.57 1657.12,584.35 U5.28@1731.77,584.35
  Signal 2 w11.81: v2(830.71,366.14) 830.71,574.8 895.91,640 1322.68,640 v2(1372.13,590.55)
GPS_TX: J7.5 U5.27 U6.2 | length 2353.2
  Top Layer 1 w11.81: v2(830.71,322.83) U6.2@935.04,322.83 ; v2@1330.84,565.62 1361.94,534.53 1611.41,534.53 1611.59,534.35 U5.27@1731.77,534.35
  Signal 1 w11.81: J7.5@460.63,1105.91 460.52,1105.91 425.2,1070.58 425.2,837.68 559.06,703.82 595.45,667.42 741.52,667.42 801.18,607.76 801.18,334.13 812.48,322.83 v2(830.71,322.83)
  Signal 2 w11.81: v2(830.71,322.83) 850.39,322.83 866.14,338.58 866.14,566.93 913.39,614.17 1281.91,614.17 v2(1329.51,566.57)
IO0: Q6.3 U5.25 | length 283
  Top Layer 1 w9.84: Q6.3@1539.77,271.43 1594.17,325.83 1663.46,325.83 1706.22,368.58
  Top Layer 1 w11.81: 1706.22,368.58 1731.77,394.13 U5.25@1731.77,434.35
NetC14_2: C14.2 D7.2 R33.1 U3.5 | length 222.1
  Top Layer 1 w11.81: U3.5@2263.5,123.03 2338.55,123.03 C14.2@2341.64,126.12 D7.2@2418.07,126.12 ; D7.2@2418.07,126.84 2484.01,126.84 R33.1@2484.25,127.08
NetD1_1: D1.1 R11.1 | length 45.6
  Top Layer 1 w11.81: D1.1@761.75,127.74 762.35,127.14 R11.1@807.09,127.14
NetD2_1: D2.1 R14.1 | length 59.8
  Top Layer 1 w11.81: R14.1@2627.32,1092.08 D2.1@2627.32,1151.85